# Altium PCB DRS4-PCB.PcbDoc (part 15 of 15)
Units mil, origin at the board's own origin, x right, y up, seen from the top; angles counter-clockwise.
Board outline 12350 x 7411.06 mil, 12 copper layers (Top Layer, Ground Layer 2, Signal Layer 3, Signal Layer 4, Ground Layer 5, Power Layer 6, Ground Layer 7, Ground Layer 8, Power Layer 9, Power Layer 10, Ground Layer 11, Bottom Layer), stack 61.6 mil thick; 1411 components, 1117 nets, 4255 pads, 2550 vias.
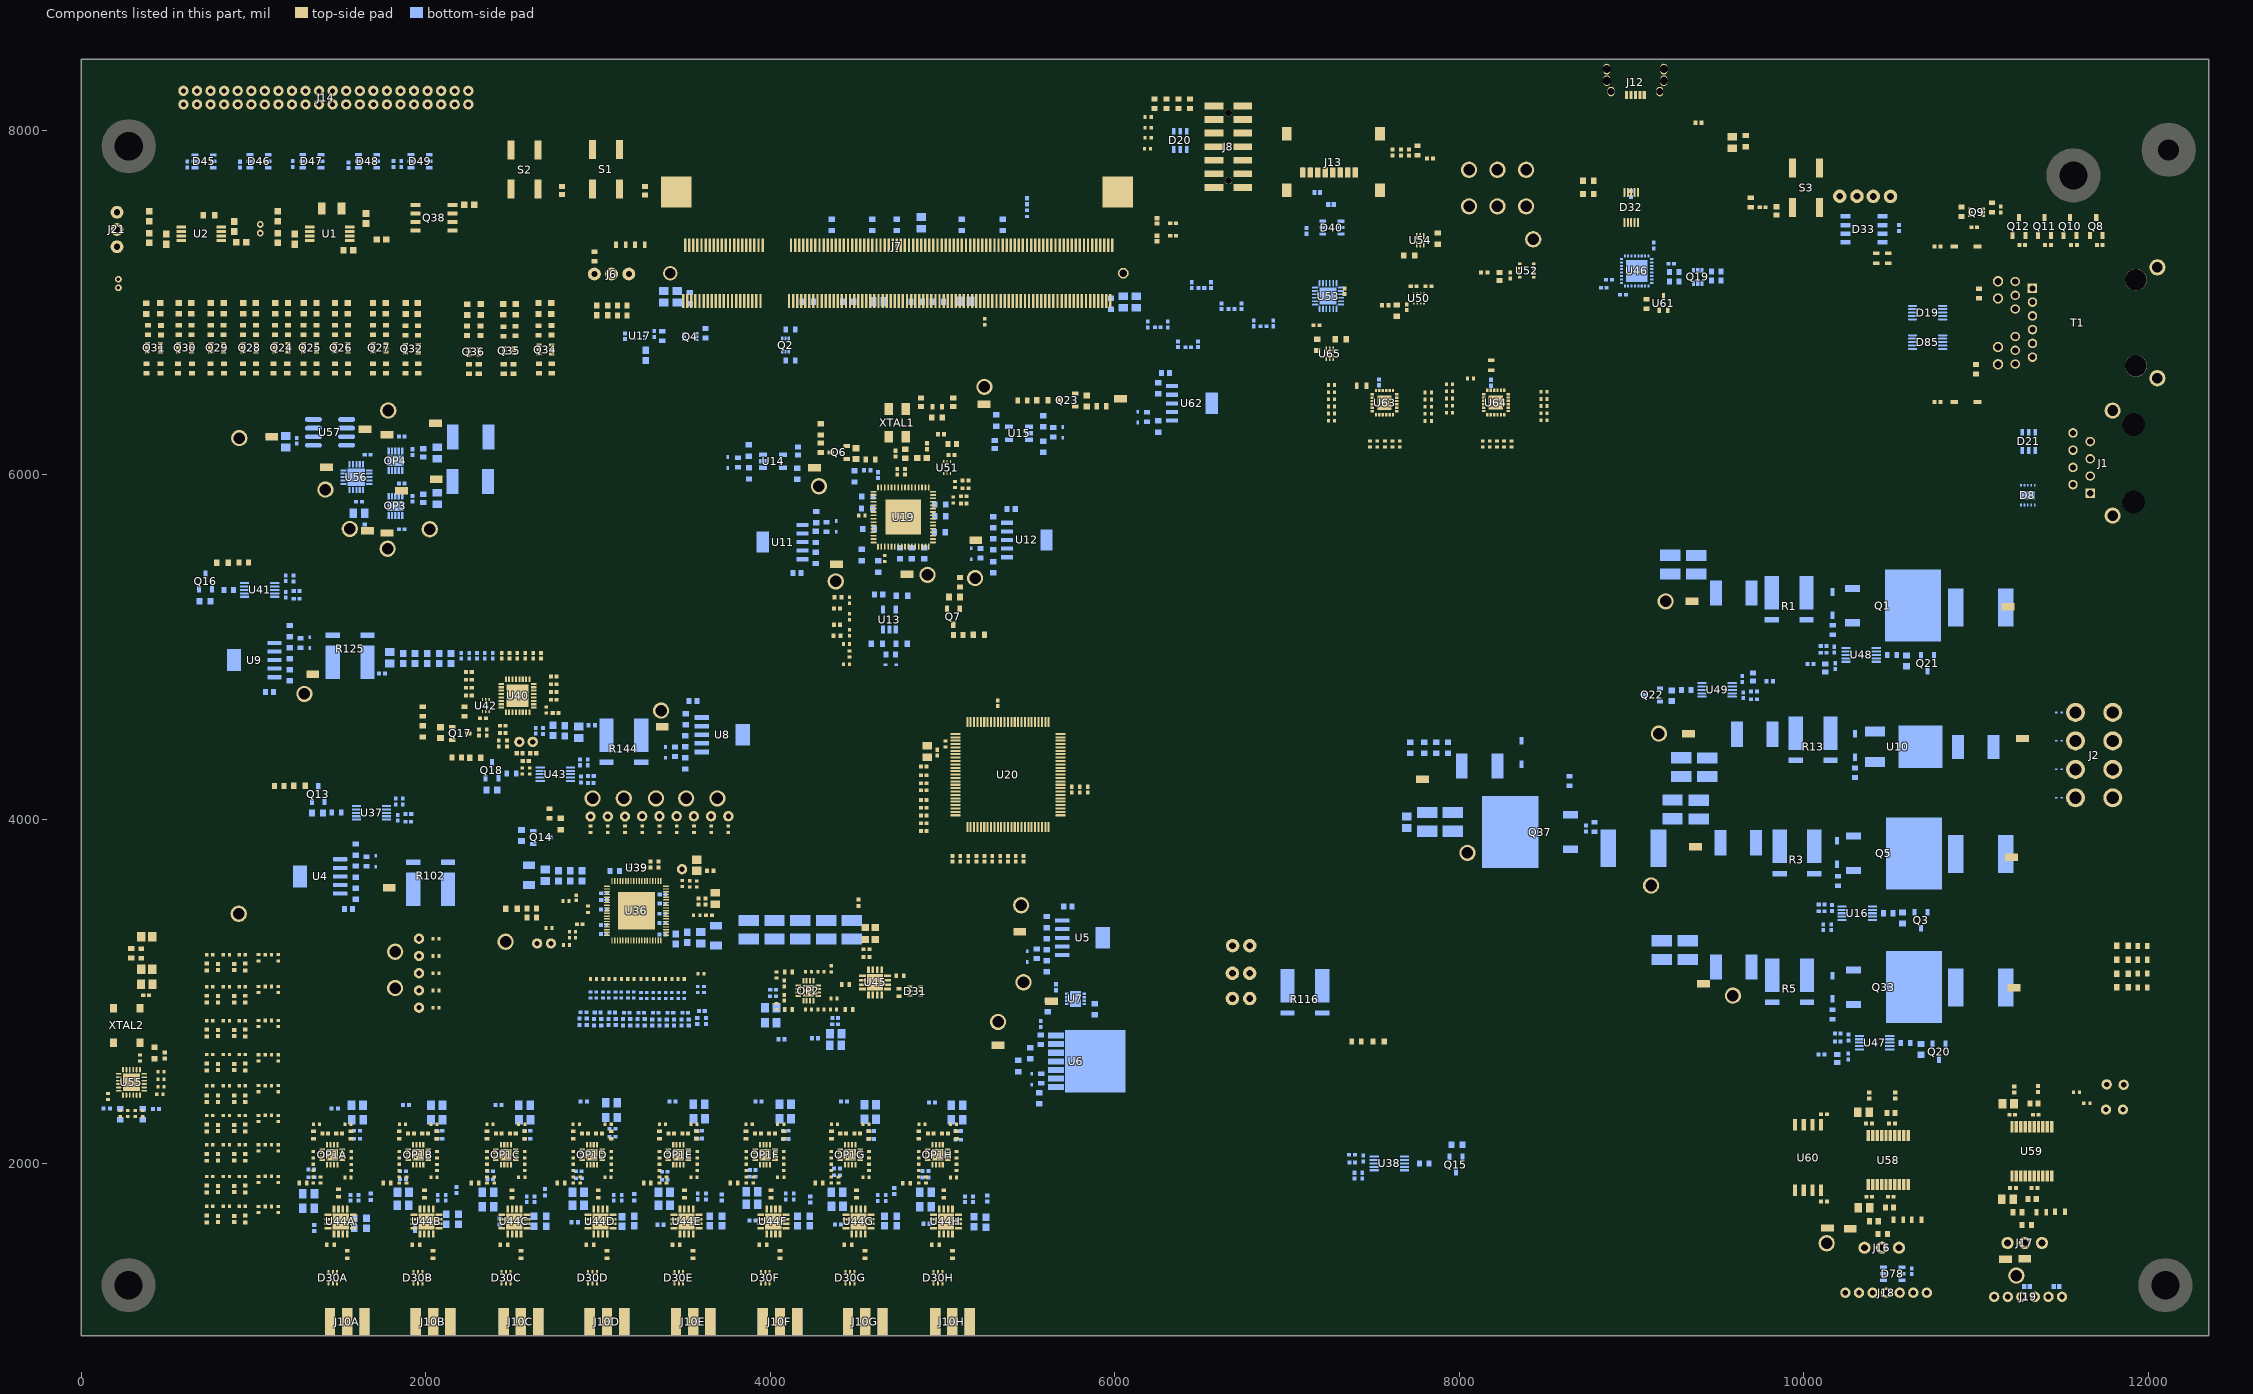
[diagram p25: the components of this part, seen from the top]

## Polygon pours and split planes (outlines as drawn) (continued)
3.3V on Bottom Layer "Bottom Layer-3.3V 33" (solid, pour order 900): 2314.28,6344.35 2510.65,6344.35 2511.86,6345.56 2511.86,6108.3 2513.37,6106.79 2314.28,6106.79
no net on Bottom Layer "Bottom Layer-No Net 16" (solid, pour order 846): 5888.85,2977.38
TRB_GND on Bottom Layer "Bottom Layer-GND 69" (solid, pour order 844): 5866.95,2891.13 5968.08,2891.13 5968.25,2808.99 5820.4,2808.99 5820.4,2891.13
TRB_GND on Bottom Layer "Bottom Layer-GND 70" (solid, pour order 840): 5640.73,3084.45 5741.95,3084.45 5741.96,3026.84 5640.73,3026.84
TRB_GND on Bottom Layer "Bottom Layer-GND 71" (solid, pour order 836): 5578.04,2907.89 5679.17,2907.89 5679.37,2812.15 5545.08,2812.15 5519.97,2837.26 5519.97,2907.89
NetR10_1 on Bottom Layer "Bottom Layer-NetR10_1" (solid, pour order 828): 5709.53,2724.81 5559.07,2724.81 5541.61,2742.27 5541.61,2806.95 5540.74,2807.81 5592.84,2807.81 5593.42,2808.39 5602.58,2808.39 5617.46,2793.51 5705.15,2793.51 5709.53,2789.13
TRB_GND on Bottom Layer "Bottom Layer-GND 72" (solid, pour order 826): 5374.9,2633.23 5374.9,2575.96 5742.14,2575.96 5742.75,2575.35 5742.75,2616.78 5742.14,2617.39 5567.27,2617.39 5551.43,2633.23
NetC20_2 on Bottom Layer "Bottom Layer-NetC20_2" (solid, pour order 824): 5494.4,2486.19 5585.39,2486.19 5604.79,2466.79 5708.1,2466.79 5708.1,2422.48 5708.1,2376.22 5515.67,2376.22 5494.4,2397.49
3.3V on Bottom Layer "Bottom Layer-3.3V 25" (solid, pour order 798): 906.14,7801.75 1007.87,7801.75 1007.87,7831.09 938.32,7831.09 935.54,7833.87 906.17,7833.87
3.3V on Bottom Layer "Bottom Layer-3.3V 26" (solid, pour order 792): 599.09,7801.65 689.18,7801.65 689.18,7829.44 688.32,7830.3 633.94,7830.3 628.38,7835.86 599.11,7835.86
TRB_GND on Bottom Layer "Bottom Layer-GND 39" (solid, pour order 748): 18 vertices, not listed, extent 106.68,6110.43 2018.01,6492.47
TRB_GND on Bottom Layer "Bottom Layer-GND 40" (solid, pour order 746): 1226.25,6132.14 1256.05,6161.95 1266.84,6161.95 1266.84,6194.95 1236.98,6194.95 1224.03,6182 1151.2,6182 1151.2,6132.14
NetC337_1 on Bottom Layer "Bottom Layer-3.3V 16" (solid, pour order 744): 1101.24,6187.63 1222.32,6187.63 1231.84,6197.15 1400.69,6197.15 1400.69,6246.77 1302.94,6246.77 1274.98,6274.72 1101.24,6274.72
NetC335_1 on Bottom Layer "Bottom Layer-3.3V 17" (solid, pour order 738): 1607.31,5923.17 1607.31,5865.33 1615.43,5857.2 1615.43,5695.86 1702.64,5695.86 1702.8,5854.74 1656.04,5901.5 1656.04,5931.78 1607.31,5931.78
no net on Bottom Layer "Bottom Layer-No Net 10" (solid, pour order 736): 1626.26,5918.49
no net on Bottom Layer "Bottom Layer-No Net 11" (solid, pour order 734): 1627.98,5917.01
NetC54_1 on Bottom Layer "Bottom Layer-NetC54_1" (solid, pour order 700): 5254.8,6223.06 5279.39,6247.65 5414.27,6247.65 5414.27,6181.9 5416.69,6179.47 5254.8,6179.47
CLK_VDDS_3V3 on Bottom Layer "Bottom Layer-CLK_VDDS_3V3" (solid, pour order 698): 5147.56,6431.64 5239.14,6431.31 5252.24,6418.21 5251.06,6328.14 5271.11,6308.1 5415.46,6308.1 5415.46,6254.99 5044.92,6254.99 5044.92,6431.64
TRB_GND on Bottom Layer "Bottom Layer-GND 43" (solid, pour order 696): 22 vertices, not listed, extent 3714.44,5928.07 4210.06,6217.61
NetC52_1 on Bottom Layer "Bottom Layer-NetC52_1" (solid, pour order 694): 4042.73,6141.92 4202.13,6141.92 4202.13,6069.14 4203.04,6068.23 4124.78,6068.23 4103.77,6089.23 4042.73,6089.23
NetC51_2 on Bottom Layer "Bottom Layer-NetC51_2" (solid, pour order 690): 3714.34,6081.27 3895.2,6081.27 3911.46,6097.53 3985.72,6097.53 3985.89,6140.13 3714.34,6140.4
3.3V on Bottom Layer "Bottom Layer-3.3V 19" (solid, pour order 686): 3614.33,6075.09 3880.6,6075.09 3896.96,6058.74 3996.45,6058.74 3997,6059.29 3997,6007.25 3614.33,6007.25
NetC44_2 on Bottom Layer "Bottom Layer-NetC44_2" (solid, pour order 674): 5137.04,5532.13 5327.14,5532.12 5338.89,5543.87 5439.85,5543.87 5439.85,5460.68 5137.04,5462.04
NetC43_1 on Bottom Layer "Bottom Layer-NetC43_1" (solid, pour order 672): 5337.33,5701.23 5418.17,5701.23 5418.36,5750.46 5396.99,5771.83 5396.99,5826.16 5327.17,5826.16 5327.17,5712.47
CLK_VDDO_2V5 on Bottom Layer "Bottom Layer-CLK_VDDO_2V5 4" (solid, pour order 670): 5467.11,5697.64 5335.73,5697.64 5306.18,5727.19 5100.3,5727.19 5100.3,5632.23 5244.25,5632.02 5264.38,5652.15 5467.11,5652.15
no net on Bottom Layer "Bottom Layer-No Net 12" (solid, pour order 662): 4560.73,5261.16
3.3V on Bottom Layer "Bottom Layer-3.3V 21" (solid, pour order 654): 4710.5,5130.86 4710.5,4855.74 4871.79,4855.74 4871.79,4891.71 4756.24,5007.26 4756.24,5130.86
NetC48_1 on Bottom Layer "Bottom Layer-NetC48_1" (solid, pour order 652): 4635.28,5181.88 4683.49,5181.88 4683.65,5328.38 4669.9,5342.14 4635.6,5342.14 4635.28,5199.26
CLK_VDDO_3V3 on Bottom Layer "Bottom Layer-CLK_VDDO_3V3 2" (solid, pour order 646): 4769.46,5186.76 4769.46,5442.41 4752.33,5459.54 4668.53,5459.54 4659.9,5450.91 4660.26,5450.55 4660.26,5360.99 4690.82,5330.42 4693.71,5330.42 4693.71,5186.76 4694.06,5189.43
NetC39_2 on Bottom Layer "Bottom Layer-NetC39_2" (solid, pour order 640): 4144.53,5693.45 4425,5693.45 4425.12,5756.39 4144.53,5756.39
3.3V on Bottom Layer "Bottom Layer-3.3V 22" (solid, pour order 638): 4144.3,5643.66 4300.5,5643.66 4352.76,5591.4 4475.9,5591.4 4475.9,5690.16 4144.3,5690.16
TRB_GND on Bottom Layer "Bottom Layer-GND 46" (solid, pour order 636): 3468.17,5470.67 3380.23,5558.6 3376.1,5558.6 3376.1,5827.88 4138.88,5827.89 4138.88,5643 4142.11,5639.76 4293.92,5639.76 4294.36,5640.2 4294.36,5584.63 4138.88,5584.63 4138.88,5470.67
NetC40_1 on Bottom Layer "Bottom Layer-NetC40_1" (solid, pour order 632): 4144.23,5532.77 4219.54,5532.77 4232.52,5519.79 4232.52,5405.78 4156.74,5405.78 4156.74,5468.35 4144.23,5480.86
CLK_VDD_1V8 on Bottom Layer "Bottom Layer-CLK_VDD_1V8 3" (solid, pour order 630): 4144.59,5580.49 4440.43,5580.49 4447.59,5573.92 4447.59,5514.26 4443.21,5509.88 4249.85,5509.88 4220.39,5539.34 4144.59,5539.34
no net on Bottom Layer "Bottom Layer-No Net 13" (solid, pour order 628): 4149.54,5577.16
TRB_GND on Bottom Layer "Bottom Layer-GND 47" (solid, pour order 626): 4999.65,5735.54 5103.93,5735.54 5109.8,5741.41 5109.8,5848.44 5103.91,5854.34 4999.65,5854.34
TRB_GND on Bottom Layer "Bottom Layer-GND 48" (solid, pour order 624): 4994.51,5638.48 4994.51,5690.98 5052.54,5691.15 5060.14,5683.55 5060.14,5643.97 5051.22,5638.48
TRB_GND on Bottom Layer "Bottom Layer-GND 49" (solid, pour order 622): 4551.58,5899.89 4551.58,5844.34 4486.78,5844.15 4479.24,5851.7 4479.24,5890.26 4494.87,5899.89
TRB_GND on Bottom Layer "Bottom Layer-GND 50" (solid, pour order 620): 4549.89,5830 4549.89,5774.46 4485.09,5774.27 4477.55,5781.82 4477.55,5820.38 4493.18,5830
TRB_GND on Bottom Layer "Bottom Layer-GND 51" (solid, pour order 618): 4558.46,5710.96 4558.46,5655.42 4493.66,5655.23 4486.12,5662.77 4486.12,5701.33 4501.75,5710.96
TRB_GND on Bottom Layer "Bottom Layer-GND 52" (solid, pour order 616): 4478.33,5522.31 4556.71,5522.31 4556.85,5473.71 4485.34,5473.71 4478.33,5485.1
TRB_GND on Bottom Layer "Bottom Layer-GND 53" (solid, pour order 614): 4869.58,5528.36 4915.05,5528.36 4915.21,5475.42 4908.31,5468.52 4874.54,5468.52 4869.58,5476.57
TRB_GND on Bottom Layer "Bottom Layer-GND 54" (solid, pour order 612): 4795.12,5529.7 4847.63,5529.7 4847.8,5471.67 4840.2,5464.06 4800.62,5464.06 4795.13,5472.99
TRB_GND on Bottom Layer "Bottom Layer-GND 55" (solid, pour order 610): 4726.02,5532.07 4778.52,5532.07 4778.7,5470.92 4772.78,5464.99 4732.4,5464.99 4726.02,5475.36
TRB_GND on Bottom Layer "Bottom Layer-GND 56" (solid, pour order 608): 4647.38,5459.88 4647.38,5407.38 4581.91,5407.19 4574.63,5414.47 4574.63,5454.53 4583.32,5459.88
CLK_VDDO_2V5 on Bottom Layer "Bottom Layer-CLK_VDDO_2V5 5" (solid, pour order 606): 4601.31,5491.53 4651.06,5491.53 4651.52,5491.99 4651.52,5532.04 4641.54,5542.02 4641.54,5558.91 4601.31,5558.91
CLK_VDDO_2V5 on Bottom Layer "Bottom Layer-CLK_VDDO_2V5" (solid, pour order 588): 4574.74,5710.85 4596.84,5710.85 4627.48,5741.49 4630.39,5741.31 4657.41,5741.31 4657.41,5658.21 4574.74,5658.21
CLK_VDD_1V8 on Bottom Layer "Bottom Layer-CLK_VDD_1V8" (solid, pour order 586): 4498.94,5590.93 4523.88,5615.87 4523.88,5635.94 4570.68,5635.94 4570.68,5545.92 4498.94,5545.92
CLK_VDD_1V8 on Bottom Layer "Bottom Layer-CLK_VDD_1V8 1" (solid, pour order 584): 4980.83,5799.79 4980.83,5853.47 4890.81,5853.47 4890.81,5799.79
CLK_VDDO_2V5 on Bottom Layer "Bottom Layer-CLK_VDDO_2V5 1" (solid, pour order 582): 4980.83,5733.05 4980.83,5784.04 4890.81,5784.04 4890.81,5733.05
CLK_VDDO_2V5 on Bottom Layer "Bottom Layer-CLK_VDDO_2V5 2" (solid, pour order 580): 4978.23,5640.26 4978.23,5691.25 4888.21,5691.25 4888.21,5640.26
CLK_VDD_1V8 on Bottom Layer "Bottom Layer-CLK_VDD_1V8 2" (solid, pour order 578): 4863.98,5548.26 4918.92,5548.26 4918.92,5638.28 4863.98,5638.28
CLK_VDDO_2V5 on Bottom Layer "Bottom Layer-CLK_VDDO_2V5 3" (solid, pour order 576): 4796.69,5548.26 4847.68,5548.26 4847.68,5638.28 4796.69,5638.28
CLK_VDDO_3V3 on Bottom Layer "Bottom Layer-CLK_VDDO_3V3 1" (solid, pour order 574): 4727.78,5548.35 4778.77,5548.35 4778.77,5638.37 4727.78,5638.37
NetC13_2 on Bottom Layer "Bottom Layer-NetC13_2" (solid, pour order 562): 1453.5,3750.85 1754.5,3750.85 1754.5,3814.62 1453.5,3814.04
3.3V on Bottom Layer "Bottom Layer-3.3V 13" (solid, pour order 560): 1453.52,3741.45 1453.52,3747.61 1750.9,3747.61 1754.47,3747.61 1754.47,3679.6 1639,3679.6 1620.96,3697.64 1457.31,3697.64 1453.52,3701.44
no net on Bottom Layer "Bottom Layer-No Net 6" (solid, pour order 552): 1527.37,3633.96
TRB_GND on Bottom Layer "Bottom Layer-GND 29" (solid, pour order 550): 18 vertices, not listed, extent 1186.53,5095.33 1249.35,5165.35
no net on Bottom Layer "Bottom Layer-No Net 7" (solid, pour order 544): 1075.91,5004.48 1169.69,5004.48 1187.98,5022.77 1223.49,5022.77
NetC32_1 on Bottom Layer "Bottom Layer-NetC32_1" (solid, pour order 530): 1060.85,4841.26 1171.54,4841.26 1171.54,4789.14 1144.19,4761.78 1144.19,4716.59 1094.48,4716.59 1093.42,4715.53 1093.42,4761.79 1060.85,4794.36
TRB_GND on Bottom Layer "Bottom Layer-GND 33" (solid, pour order 526): 2170.06,4939.45 2182.64,4952.03 2410.45,4952.03 2410.45,5022.92 1756.93,5022.66 1756.93,4939.45
no net on Bottom Layer "Bottom Layer-No Net 8" (solid, pour order 522): 1639.2,4909.72
TRB_GND on Bottom Layer "Bottom Layer-GND 34" (solid, pour order 520): 3826.83,4626.49 4251.2,4202.12 4251.2,3967.53 3916.73,3967.53 3658.32,3967.53 3658.32,4460.19 3651.29,4467.22 3543.41,4467.22 3533.59,4457.4 3479.38,4457.4 3452.36,4484.42 3452.36,4512.79 3654.67,4512.79 3654.84,4626.38
TRB_GND on Bottom Layer "Bottom Layer-GND 35" (solid, pour order 518): 18 vertices, not listed, extent 3467.57,4250.47 3530.39,4320.5
NetC30_2 on Bottom Layer "Bottom Layer-NetC30_2" (solid, pour order 516): 3342.17,4396.91 3539.51,4396.91 3549.67,4407.07 3649.36,4407.07 3649.36,4364.41 3649.17,4324.11 3342.17,4324.11
3.3V on Bottom Layer "Bottom Layer-3.3V 15" (solid, pour order 514): 3341.69,4404.49 3341.07,4403.87 3537.59,4403.87 3546.54,4412.82 3649.39,4412.82 3649.6,4462.98 3550.29,4462.99 3537.38,4450.08 3473.4,4450.08 3454.07,4469.41 3341.69,4469.41
no net on Bottom Layer "Bottom Layer-No Net 9" (solid, pour order 512): 3326.59,4464.48
TRB_GND on Bottom Layer "Bottom Layer-GND 36" (solid, pour order 510): 3492.3,4588.85 3544.92,4588.85 3544.92,4710.34 3469.1,4710.34 3456.12,4688.88 3456.12,4589.11 3488.34,4588.85
NetC28_1 on Bottom Layer "Bottom Layer-NetC28_1" (solid, pour order 506): 3550.49,4569.7 3648.49,4569.7 3648.73,4620.14 3620.39,4648.97 3620.39,4711.42 3551.21,4711.42 3550.49,4711.42
NetC16_1 on Bottom Layer "Bottom Layer-NetC371_1" (solid, pour order 456): 5739.31,3394.69 5645.12,3394.69 5645.12,3453.74 5660.08,3468.7 5660.08,3529.27 5724.94,3529.27 5724.94,3459.55 5738.82,3445.77
NetC15_2 on Bottom Layer "Bottom Layer-NetC15_2" (solid, pour order 452): 5472.82,3192.27 5512.77,3192.27 5525.17,3204.67 5631.67,3204.67 5658.44,3231.44 5748.89,3231.44 5748.89,3151.22 5748.5,3150.83 5472.82,3150.83
no net on Bottom Layer "Bottom Layer-No Net 5" (solid, pour order 446): 3719.59,3273.53
TRB_GND on Bottom Layer "Bottom Layer-GND 15" (solid, pour order 428): 18 vertices, not listed, extent 6209.31,6208.23 6276.14,6270.73
no net on Bottom Layer "Bottom Layer-No Net 4" (solid, pour order 408): 8813.78,3812.7
TRB_GND on Bottom Layer "Bottom Layer-GND 19" (solid, pour order 406): 10194.19,4886.71 10168.21,4886.71 10155.88,4874.39 10104.09,4874.39 10104.09,4835.33 10137.6,4835.33 10144.49,4835.33 10160.14,4850.98 10199.68,4850.98 10199.68,4886.71
NetC263_2 on Bottom Layer "Bottom Layer-3.3V 5" (solid, pour order 404): 10274.11,4922.15 10136.71,4922.15 10106.89,4922.15 10104.33,4922.15 10104.33,4886.02 10159.45,4886.02 10164.37,4890.94 10274.11,4890.94
NetQ21_1 on Bottom Layer "Bottom Layer-NetQ21_1" (solid, pour order 394): 10695.55,4970.28 10630.32,4970.28 10620.18,4980.41 10521.65,4980.41 10520.87,4980.41 10520.87,4927.26 10520.87,4925.69 10621.36,4925.69 10626.86,4931.19 10695.55,4931.19
TRB_GND on Bottom Layer "Bottom Layer-GND 21" (solid, pour order 390): 10172.54,3370.77 10096.56,3370.77 10096.26,3367.42 10095.99,3341.01 10097.05,3339.96 10131.2,3339.96 10172.93,3339.96
3.3V on Bottom Layer "Bottom Layer-3.3V 7" (solid, pour order 388): 9370.47,4725.98 9383.66,4739.17 9445.67,4739.17 9451.28,4744.78 9474.51,4744.78 9475.1,4745.37 9475.1,4679.92 9445.96,4679.72 9426.48,4699.21 9370.47,4699.21
NetQ22_1 on Bottom Layer "Bottom Layer-NetQ22_1" (solid, pour order 384): 9308.07,4726.38 9308.07,4773.46 9195.87,4773.52 9189.07,4780.31 9139.47,4780.31 9139.47,4742.81 9139.86,4742.42 9192.62,4742.42 9208.66,4726.38
TRB_GND on Bottom Layer "Bottom Layer-GND 22" (solid, pour order 380): 9616.63,4779.13 9547.93,4779.13 9545.08,4781.99 9521.95,4781.99 9521.75,4757.87 9521.36,4757.48 9546.46,4757.48 9550.2,4761.22 9616.63,4761.22
3.3V on Bottom Layer "Bottom Layer-3.3V 1" (solid, pour order 368): 10136.76,3404.16 10094.19,3404.16 10094.19,3375.99 10132.11,3375.99 10170.61,3375.99 10198.28,3403.66 10251.78,3403.66 10251.28,3404.16 10251.28,3423.66 10156.27,3423.66
TRB_GND on Bottom Layer "Bottom Layer-3.3V 2" (solid, pour order 364): 10381.9,3503.64 10386.77,3508.51 10386.77,3528.14 10407.77,3528.14 10407.77,3507.14 10411.26,3503.64 10434.27,3503.64 10434.77,3504.14 10455.77,3504.14 10455.77,3482.64 10435.27,3482.64 10432.77,3485.14 10368.77,3485.14 10368.77,3503.64
NetQ3_1 on Bottom Layer "Bottom Layer-NetQ3_1" (solid, pour order 360): 10665.16,3472.05 10609.74,3472.05 10599.11,3482.68 10500.1,3482.68 10499.51,3483.27 10499.51,3432.09 10499.51,3426.48 10538.39,3426.48 10548.23,3436.32 10665.16,3436.32
TRB_GND on Bottom Layer "Bottom Layer-GND 11" (solid, pour order 352): 10275.5,2582.12 10242.71,2582.12 10229.29,2569 10217,2569 10180,2569 10172.5,2569 10172.5,2575.5 10172.49,2601.49 10172.52,2608.5 10229.75,2608.5 10241.64,2620.39 10275.5,2620.39
NetC260_2 on Bottom Layer "Bottom Layer-3.3V 1" (solid, pour order 350): 10172,2653 10277.5,2653 10297,2672.5 10352.5,2672.5 10352.5,2628 10236.5,2628 10225,2616.5 10172,2616.5 10172,2621.5 10172,2648
no net on Bottom Layer "Bottom Layer-No Net 2" (solid, pour order 348): 10175,2651
no net on Bottom Layer "Bottom Layer-No Net 3" (solid, pour order 344): 10534,2734
NetQ20_1 on Bottom Layer "Bottom Layer-NetQ20_1" (solid, pour order 334): 10770,2669.5 10639.26,2669.5 10631.76,2677 10598,2677 10598,2723.29 10650.21,2723.29 10652,2721.5 10656,2721.5 10770,2721.5
NetF4_2 on Bottom Layer "Bottom Layer-NetF3_2" (solid, pour order 302): 10947.5,4639.69 10947.5,4225.49 10519,4225.49 10519,4639.69
FTDI_EXT_1V8 on Bottom Layer "Bottom Layer-FTDI_EXT_1V8" (solid, pour order 252): 10422.56,7379.77 10489.06,7379.77 10489.06,7426.77 10497.06,7434.77 10564.56,7434.77 10564.56,7466.27 10538.06,7466.27 10537.56,7465.77 10422.56,7465.77
no net on Bottom Layer "Bottom Layer-No Net" (solid, pour order 244): 7126.54,7416.61
no net on Bottom Layer "Bottom Layer-No Net 1" (solid, pour order 242): 7126.54,7416.61
3V3_SD on Bottom Layer "Bottom Layer-3V3_SD" (solid, pour order 240): 7126.54,7416.61 7133.62,7423.7 7229.06,7423.7 7229.06,7447.56 7127.24,7447.56 7097.69,7448.25 7097.01,7447.56 7097.01,7443.78 7097.01,7422.05 7097.01,7416.61
TRB_GND on Bottom Solder " " (solid): 3113.45,3576.97 3330.8,3576.97 3331.22,3576.55 3331.22,3356.69 3114.31,3356.69
no net on Top Solder " " (solid): 6601.74,6353.35 6519.11,6353.35 6519.11,6477.08 6601.74,6477.23
no net on Top Solder " " (solid): 3914.76,5666.3 3997.4,5666.3 3997.4,5542.56 3914.76,5542.42
no net on Top Solder " " (solid): 5643.45,5563.01 5560.81,5563.01 5560.81,5686.74 5643.45,5686.89
no net on Top Solder " " (solid): 202.39,2451.71
TRB_GND on Top Solder " " (solid): 3800.63,4550.33 3883.27,4550.33 3883.27,4426.6 3800.63,4426.45
TRB_GND on Top Solder " " (solid): 5712.65,2777.83 6064.94,2777.83 6064.94,2419.56 5712.65,2418.93
TRB_GND on Top Solder " " (solid): 5889.06,3372.86 5971.69,3372.86 5971.69,3249.12 5889.06,3248.98
TRB_GND on Top Solder " " (solid): 5733.98,3005.83 5807.07,3005.83 5807.07,2907.74 5733.98,2907.61
no net on Top Solder " " (solid): 845.84,4985.57 928.47,4985.57 928.47,4861.83 845.84,4861.68
TRB_GND on Top Solder " " (solid): 1227.35,3730.11 1309.99,3730.11 1309.99,3606.38 1227.35,3606.23
TRB_GND on Ground Layer 11 "Ground Layer 2-GND 1" (solid, pour order 2589): 23 vertices, not listed, extent 24.31,1024.51 12324.52,8389.08
TLTB_GND on Ground Layer 11 "Ground Layer 2-LT_GND" (solid, pour order 2592): 9491.2,1960.31 10783.53,1960.31 10784.81,1961.59 10784.81,1026.49 9491.2,1030.3
NEUTRAL on Ground Layer 11 "Ground Layer 2-SH" (solid, pour order 2591): 18 vertices, not listed, extent 8394.25,5612.32 12295.03,8389.31
TPCB_GND on Ground Layer 11 "Ground Layer 2-PB_GND" (solid, pour order 2593): 10844.7,1960.41 11687.69,1960.41 11687.69,1026.66 10844.7,1026.66
TRB_GND on Ground Layer 8 "Ground Layer 2-GND 1" (solid, pour order 2594): 23 vertices, not listed, extent 24.31,1024.51 12324.52,8389.08
NEUTRAL on Ground Layer 8 "Ground Layer 2-SH" (solid, pour order 2595): 18 vertices, not listed, extent 8394.25,5612.32 12295.03,8389.31
TLTB_GND on Ground Layer 8 "Ground Layer 2-LT_GND" (solid, pour order 2596): 9491.2,1960.31 10783.53,1960.31 10784.81,1961.59 10784.81,1026.49 9491.2,1030.3
TPCB_GND on Ground Layer 8 "Ground Layer 2-PB_GND" (solid, pour order 2597): 10844.7,1960.41 11687.69,1960.41 11687.69,1026.66 10844.7,1026.66
TRB_GND on Ground Layer 7 "Ground Layer 2-GND 1" (solid, pour order 2598): 23 vertices, not listed, extent 24.31,1024.51 12324.52,8389.08
TLTB_GND on Ground Layer 7 "Ground Layer 2-LT_GND" (solid, pour order 2600): 9491.2,1960.31 10783.53,1960.31 10784.81,1961.59 10784.81,1026.49 9491.2,1030.3
TPCB_GND on Ground Layer 7 "Ground Layer 2-PB_GND" (solid, pour order 2601): 10844.7,1960.41 11687.69,1960.41 11687.69,1026.66 10844.7,1026.66
NEUTRAL on Ground Layer 7 "Ground Layer 2-SH" (solid, pour order 2599): 18 vertices, not listed, extent 8394.25,5612.32 12295.03,8389.31
TRB_GND on Ground Layer 5 "Ground Layer 2-GND 1" (solid, pour order 2602): 23 vertices, not listed, extent 24.31,1024.51 12324.52,8389.08
NEUTRAL on Ground Layer 5 "Ground Layer 2-SH" (solid, pour order 2603): 18 vertices, not listed, extent 8394.25,5612.32 12295.03,8389.31
TPCB_GND on Ground Layer 5 "Ground Layer 2-PB_GND" (solid, pour order 2605): 10844.7,1960.41 11687.69,1960.41 11687.69,1026.66 10844.7,1026.66
TRB_GND on Ground Layer 5 "Ground Layer 2-LT_GND" (solid, pour order 2604): 9491.2,1960.31 10783.53,1960.31 10784.81,1961.59 10784.81,1026.49 9491.2,1030.3
TRB_GND on Ground Layer 2 "Ground Layer 2-GND 1" (solid, pour order 2606): 23 vertices, not listed, extent 24.31,1024.51 12324.52,8389.08
TPCB_GND on Ground Layer 2 "Ground Layer 2-PB_GND" (solid, pour order 2609): 10844.7,1960.41 11687.69,1960.41 11687.69,1026.66 10844.7,1026.66
TLTB_GND on Ground Layer 2 "Ground Layer 2-LT_GND" (solid, pour order 2608): 9491.2,1960.31 10783.53,1960.31 10784.81,1961.59 10784.81,1026.49 9491.2,1030.3
NEUTRAL on Ground Layer 2 "Ground Layer 2-SH" (solid, pour order 2607): 18 vertices, not listed, extent 8394.25,5612.32 12295.03,8389.31
3.3V on Power Layer 6 "Power Layer 6-3.3V" (solid, pour order 2614): 11439.81,7490.87 11293.3,7637.38 11293.3,7894.74 4997.84,7897.71 4997.84,1264.05 8658.45,1264.05 9425.95,2031.56 11511.67,2031.56 11511.67,2475.54 10928.34,3031.82 10928.33,5466.72 11439.81,5978.19
3.3V on Power Layer 6 "Power Layer 6-3.3V" (solid, pour order 2610): 17 vertices, not listed, extent 24.28,1257.79 4497.14,7906.23
-1V_IN on Power Layer 6 " " (solid, pour order 2617): 11723.47,4541.42 11044.04,4541.43 11042.94,4542.53 11042.94,4330.21 11171.66,4330.21 11238.88,4397.43 11723.47,4397.43
+4V_IN on Power Layer 6 "Power Layer 9-+4V_IN" (solid, pour order 2616): 11234.3,5021.46 11271.62,4984.14 11271.62,4603.92 11318.22,4557.32 11724.45,4557.32 11724.65,5257.26 11476.39,5505.51 10994.09,5505.51 10994.09,5021.46
+3V3_SPM15 on Power Layer 6 "Power Layer 9-No Net 3" (solid, pour order 2615): 11723.21,4379.56 11249.64,4379.56 10994.09,4124.02 10994.09,3543 11723.22,3543.01
3.3V on Power Layer 6 "Power Layer 6-3.3V" (solid, pour order 2613): 5057.7,4954.08 5057.7,1263.84 4469.33,1263.84 4469.33,4954.36
3.3V on Power Layer 6 "Power Layer 6-3.3V" (solid, pour order 2612): 5034.6,7906.1 5034.6,6111.17 4452.03,6111.18 4452.03,7906.37
CLK_VDDO_3V3 on Power Layer 6 "CLK_3V3" (solid, pour order 2611): 4544.5,6006.11 4942.4,6006.11 4942.4,5087.41 4544.5,5087.41

## Other copper
Top Layer:
  pour cut-out: 236,2350
Ground Layer 2:
  drawing of 489 lines, arcs and shapes, not listed
Ground Layer 11:
  pour cut-out: 6180.78,6843.77 6201.85,6843.77 6201.87,6867.15 6180.78,6867.23
  pour cut-out: 6180.24,6877.24 6201.32,6877.24 6201.34,6900.62 6180.24,6900.7
  pour cut-out: 6219.85,6865.01 6219.85,6843.94 6243.23,6843.92 6243.31,6865.02
  pour cut-out: 6253.31,6865.55 6253.31,6844.48 6276.7,6844.46 6276.77,6865.55
  pour cut-out: 6317.52,6900.95 6296.44,6900.95 6296.42,6877.56 6317.52,6877.49
  pour cut-out: 6318.05,6867.48 6296.98,6867.48 6296.96,6844.1 6318.06,6844.02
  pour cut-out: 6376.7,6784.41 6355.63,6784.41 6355.61,6761.03 6376.7,6760.95
  pour cut-out: 6377.24,6750.94 6356.16,6750.94 6356.15,6727.56 6377.24,6727.48
  pour cut-out: 6454.37,6730.15 6454.37,6751.23 6430.99,6751.25 6430.91,6730.15
  pour cut-out: 6420.9,6729.61 6420.9,6750.69 6397.52,6750.71 6397.44,6729.61
  pour cut-out: 6472.32,6729.31 6493.4,6729.31 6493.42,6752.69 6472.32,6752.77
  pour cut-out: 6471.79,6762.77 6492.86,6762.78 6492.88,6786.16 6471.79,6786.23
  pour cut-out: 6455.68,7129.22 6434.6,7129.22 6434.58,7105.83 6455.68,7105.76
  pour cut-out: 6456.21,7095.75 6435.14,7095.75 6435.12,7072.37 6456.21,7072.29
  pour cut-out: 6530.48,7074.35 6530.48,7095.43 6507.1,7095.45 6507.02,7074.35
  pour cut-out: 6497.01,7073.82 6497.01,7094.89 6473.63,7094.91 6473.55,7073.82
  pour cut-out: 6548.36,7072.54 6569.43,7072.54 6569.45,7095.92 6548.36,7096
  pour cut-out: 6547.82,7106.01 6568.9,7106.01 6568.92,7129.39 6547.82,7129.47
  pour cut-out: 6609.45,6950.05 6630.52,6950.05 6630.54,6973.43 6609.44,6973.51
  pour cut-out: 6608.91,6983.51 6629.98,6983.52 6630,7006.9 6608.91,7006.97
  pour cut-out: 6648.31,6971.76 6648.31,6950.68 6671.7,6950.66 6671.77,6971.76
  pour cut-out: 6681.78,6972.29 6681.78,6951.22 6705.16,6951.2 6705.24,6972.29
  pour cut-out: 6745.36,7006.51 6724.28,7006.51 6724.26,6983.12 6745.36,6983.05
  pour cut-out: 6745.89,6973.04 6724.82,6973.04 6724.8,6949.66 6745.89,6949.58
  pour cut-out: 6890.59,6851.66 6890.59,6872.74 6867.21,6872.76 6867.13,6851.66
  pour cut-out: 6857.13,6851.13 6857.12,6872.2 6833.74,6872.22 6833.67,6851.13
  pour cut-out: 6797.48,6849.98 6818.56,6849.98 6818.58,6873.37 6797.48,6873.44
  pour cut-out: 6796.95,6883.45 6818.02,6883.45 6818.04,6906.83 6796.95,6906.91
  pour cut-out: 6908.5,6883.31 6929.58,6883.31 6929.59,6906.7 6908.5,6906.77
  pour cut-out: 6909.04,6849.85 6930.11,6849.85 6930.13,6873.23 6909.04,6873.31

## Silkscreen, mask and mechanical layers (free items; w line width, h text height)
Top Overlay:
  drawing of 164 lines, arcs and shapes, not listed
  text "SD TEST POINTS" at 7978.8,8193.82 h39.37
  text "GND" at 424.83,8016.06 h24
  text "PS SRST" at 2975.1,8001.72 h25
  text "POR" at 2525.78,7993.26 h25
  text "TDI" at 6417.66,7970.37 h39.37
  text "TP40 - SD_CLK / TP41 - SD_DAT0 / TP51 - SD_DAT1 / TP52 - SD_DAT2 / TP53 - SD_DAT3 / TP54 - SD_CMD" at 7976.04,7940.52 h39.37
  text "GPIO0_P" at 602.74,7930.95 h24 r90
  text "GPIO9_P" at 2022.22,7930.95 h24 r90
  text "GPIO0_N" at 693.75,7925.95 h24 r90
  text "GPIO9_N" at 2112.49,7925.95 h24 r90
  text "TDO" at 6401.63,7889.16 h39.37
  text "TCK" at 6401.63,7812.44 h39.37
  text "TMS" at 6401.67,7735.58 h39.37
  text "RX" at 8553.98,7694.65 h23.62
  text "TRB_GND" at 10230.22,7688.25 h50 r90
  text "FTDI_EXT_1V8" at 10318.88,7688.25 h50 r90
  text "RX_EXT" at 10416.53,7688.25 h50 r90
  text "TX_EXT" at 10514.02,7688.25 h50 r90
  text "Neutral" at 11887.38,7663.2 h47.24
  text "TX" at 8553.98,7614.14 h23.62
  text "(J22): PORB RST / (J21): (1-2) TEXAS_INS_PWR_EN /           (2-3) ROHM_PWR_EN" at 314.82,7601.25 h39.37
  text "Attach Neutral Screw ^" at 11703.57,7566.45 h23.62
  text "1" at 90.7,7525.86 h23.62 r270
  text "VCC 1V8" at 6365.77,7515.26 h39.37
  text "2" at 90.7,7421.65 h23.62 r270
  text "BOOT MODE(J6) / 1-2   = SD CARD / 2-3   = QSPI" at 2932.99,7420.45 h39.37
  text "JTAG" at 6605.88,7362.67 h60
  text "3" at 90.7,7323.74 h23.62 r270
  text "LED1" at 10610.53,7314.75 h39.37
  text "TCA_0-5_EN" at 2746.21,7100.14 h23.62 r90
  text "I2C Test Points" at 6237.95,7096.72 h60
  text "HMC_EN7" at 389.33,7092.05 h23.62 r90
  text "HMC_VCTL7" at 479.44,7092.05 h23.62 r90
  text "HMC_EN6" at 583,7092.05 h23.62 r90
  text "HMC_VCTL6" at 658.06,7092.05 h23.62 r90
  text "HMC_EN5" at 766.7,7092.05 h23.62 r90
  text "HMC_VCTL5" at 847.62,7092.05 h23.62 r90
  text "HMC_EN4" at 953.28,7092.05 h23.62 r90
  text "HMC_VCTL4" at 1024.04,7092.05 h23.62 r90
  text "HMC_EN0" at 1139.57,7092.05 h23.62 r90
  text "HMC_VCTL0" at 1210.11,7092.05 h23.62 r90
  text "HMC_EN1" at 1310.2,7092.05 h23.62 r90
  text "HMC_VCTL1" at 1375.45,7092.05 h23.62 r90
  text "HMC_EN2" at 1492.63,7092.05 h23.62 r90
  text "HMC_VCTL2" at 1564.66,7092.05 h23.62 r90
  text "HMC_EN3" at 1712.51,7092.05 h23.62 r90
  text "HMC_VCTL3" at 1783.27,7092.05 h23.62 r90
  text "Si5395_FINC" at 1894.93,7092.05 h23.62 r90
  text "Si5395_FDEC" at 1983.73,7092.05 h23.62 r90
  text "SHDN" at 2244.28,7092.05 h23.62 r90
  text "VCAL_RESET" at 2342.95,7092.05 h23.62 r90
  text "Si5395_OE" at 2468.97,7092.05 h23.62 r90
  text "Si5395_RESET" at 2542.67,7092.05 h23.62 r90
  text "TCA_6-8_EN" at 2680.55,7092.05 h23.62 r90
  text "1" at 2974.11,7088.86 h23.62
  text "2" at 3078.32,7088.86 h23.62
  text "3" at 3176.23,7088.86 h23.62
  text "PWR GOOD" at 2771.83,7001.42 h39.37
  text "PL DONE" at 2767.24,6933.9 h39.37
  text "(J15)3V3 LED / Short  = ON / Open  = OFF" at 58.63,6923.23 h39.37
  text "CLK SYNTH TEMP ALERT" at 5404.08,6604.09 h23.62
  text "LED2" at 10611.98,6414.4 h39.37
  text "50 MHz TCXO" at 4388.32,6307.26 h23.62
  text "CLK SYNTH INTERRUPT" at 3793.07,6248.64 h23.62
  text "J1 (CAT5) PINOUT" at 10770.97,6175.15 h45
  text "AD5675 TEST POINTS" at 2623.22,6149.99 h39.37
  text "TP72 - AD5675_VDD / TP73 - DRS IN OFFSET - / TP74 - DRS IN OFFSET + / TP76 - THS4509 CM / TP78 - DRS BIAS / TP79 - ADR4520BRZ (VREF VCC) / TP80 - AD5675 2V08 VREF / TP81 - (OP-AMP) DRS OFFSET + / TP82 - (OP-AMP) THS4509 CM" at 2614.46,5818.29 h39.37
  text "1=TLTB_CLK_N / 2=MCLK_P / 3=TLTB_CLK_P / 4=MCLK_N / 5=NC / 6=DWRITE_p / 7=NC / 8=DWRITE_N" at 10797.96,5792.03 h45
  text "ADC CLK ->" at 4061.15,5747.41 h39.37
  text "DRS CLK ->" at 4187.81,5683.24 h39.37
  text "GND" at 4491.78,5543.12 h25
  text "ADC DVDD ALERT" at 766.83,5540.63 h23.62
  text "C" at 561.48,5526.53 h700 r90
  text "GND" at 4692.08,5514.78 h25
  text "TEST POINTS" at 5416.09,5481.32 h39.37
  text "TP26 - CLK_VDD_1V8 / TP28 - CLK_VDDO_3V3 / TP30 - CLK_VDDO_2V5 / TP32 - CLK_VDDA_3V3 / TP34 - CLK_VDDS_3V3 / TP95 - VCC_IO_B34" at 5408.79,5225.56 h39.37
  text "CH9 CLK ->" at 4657.78,5224.94 h39.37 r90
  text "Loss of Lock" at 5037.17,4999.25 h23.62
  text "4V" at 11530,4852.95 h47.24
  text "-1V" at 11042.04,4720.34 h47.24
  text "UCLA" at 708.44,4695 h140 r90
  text "AD9245 ADC TEST POINTS" at 3569.12,4674.51 h39.37
  text "TP19 -3V_ADC_ANA" at 3560.7,4594.22 h39.37
  text "GAPS TOF / 475 Portola Plaza / Los Angeles, CA / Ismael Garcia:    igarcia91@g.ucla.edu / Andrew Peck:     andrew.peck@cern.ch / Sean Quinn:      spq@ucla.edu" at 547.65,4579.38 h24 r90
  text "AD9245 ADC TEST POINTS" at 898.7,4534.79 h39.37
  text "MUX+" at 2484.6,4487.75 h39.37
  text "MUX-" at 2590.21,4486.32 h39.37
  text "TP21 -2V5_ADC_DIG" at 890.27,4454.5 h39.37
  text "AD9245" at 3061.11,4448.71 h39.37
  text "TEST POINTS" at 8540.43,4442.08 h39.37
  text "ADC TEMP ALERT" at 1685.69,4412 h23.62
  text "TP49: MUX+ / TP50: MUX -" at 3014.56,4355.74 h39.37
  text "DRS4 TEST POINTS" at 3954.37,4310.83 h39.37
  text "TP2:     3V5 / TP24:  -1V5 / TP4:     3V3_MARS / TP8:     3V3" at 8538.73,4280.95 h39.37
  text "DRS4 AVDD Alert" at 1059.07,4249.61 h23.62
  text "3V3 MARS" at 10788.67,4242.95 h47.24
  text "ADC AVDD ALERT" at 2100.35,4226.79 h23.62
  text "B" at 710.6,4197.96 h300 r90
  text "GAPS" at 507.87,4158.5 h500 r90
  text "DRS4 AVDD TEST POINTS" at 1723.44,3885.38 h39.37
  text "DRS4 TEMP ALERT" at 2512.5,3826.64 h23.62
  text "TP10 - DRS_AVDD" at 1715.02,3805.09 h39.37
  text "3V3" at 11604.36,3756.05 h47.24 r90
  text "TRB_GND" at 11820.98,3696.55 h47.24 r90
  text "TP57   - DRS_DTAP / TP58   - DRS_PLLLCK / TP59   - DRS_DENABLE / TP60   - DRS_DWRITE / TP61   - DRS_RESET / TP62   - DRS_O-OFS / TP63   - DRS-ROFS / TP64   - DRS_A0 / TP65   - DRS_A1 / TP66   - DRS_A2 / TP67   - DRS_A3 / TP97   - DRS_WSRIN / TP98   - DRS_WSROUT / TP99   - DRS_RSRLOAD / TP100 - DRS-SROUT / TP101 - DRS_SRCLK / TP102 - DRS_SRIN" at 3949.54,3623.11 h39.37
  text "TRB_GND" at 807.02,3573.08 h40
  text "TP96" at 734.74,3467.85 h25
  text "TP11" at 1685.09,3309.63 h25
  text "4V ALERT" at 11458.41,3257.59 h23.62
  text "TPS79525DCQR / Short  = ON / Open   = OFF" at 6861.21,3247.87 h43.31
  text "TRB_GND" at 1580.74,3224.58 h25
  text "TC_8" at 1198.94,3207.85 h25
  text "-1V ALERT" at 11438.73,3180.18 h23.62
  text "3V3 MARS ALERT" at 11311.28,3097.94 h24
  text "ADM7170ACPZ / Short  = ON / Open   = OFF" at 6861.21,3072.22 h43.31
  text "TRB_GND / VIAS" at 2654.2,3061.41 h39.37
  text "8" at 3539.57,3048.97 h40
  text "4" at 3218.43,3033.79 h40
  text "6" at 3365.5,3033.8 h40
  text "7" at 3439.04,3034.12 h40
  text "1" at 3002.88,3033.46 h40
  text "3" at 3147.59,3033.12 h40
  text "5" at 3293.65,3033.13 h40
  text "2" at 3075.07,3032.45 h40
  text "0" at 2922.58,3029.42 h40
  text "TC_7" at 1198.94,3023.87 h25
  text "3V3 ALERT" at 11434.79,3017.29 h23.62
  text "TRB_GND" at 1580.74,2997.91 h25
  text "FE VIAS / {P,N}" at 2686.83,2976.96 h39.37
  text "MIC69502WR / Short  = ON / Open   = OFF" at 6861.21,2902.88 h43.31
  text "TC_6" at 1198.94,2828.82 h25
  text "I2C TEST POINTS" at 11711.62,2782.6 h39.37
  text "TC_5" at 1198.94,2629.79 h25
  text "TP45 - SDA / TP46 - SCL / TP47 - GND / TP48 - GND" at 11709.93,2621.47 h39.37
  text "DRS4 DVDD ALERT" at 7340.3,2615.22 h39.37
  text "TC_4" at 1198.94,2445.35 h25
  text "TC_3" at 1198.94,2277.28 h25
  text "DRS4 DVDD TEST POINTS" at 5345.2,2233.1 h39.37
  text "TC_2" at 1138.92,2135.5 h25
  text "TP12 - DRS4_DVDD_Texas_Instru. / TP14 - DRS4_DVDD_Linear_Tech. / TP16 - DRS4_DVDD_Microchip" at 5338.93,2081.59 h39.37
  text "TC_1" at 1142.32,1958.07 h25
  text "TC_0" at 1166.1,1691.54 h25
  text "TEST POINTS" at 11831.71,1657.95 h39.37
  text "1" at 11166.91,1593.94 h39.37
  text "2" at 11271.35,1593.94 h39.37
  text "3" at 11369.02,1593.94 h39.37
  text "TP90 - PB_3V3 / TP92 - PB_3V3_VSIO" at 11828.59,1546.41 h39.37
  text "TEST POINTS" at 9468.7,1511.98 h39.37
  text "POWER BOARD / I2C Galvanic Supply / 1-2: 3V3 VISO / 2-3: 3V3 External" at 11456.05,1467.85 h39.37
  text "1" at 10342.89,1425.92 h39.37
  text "2" at 10447.1,1425.92 h39.37
  text "3" at 10545,1425.92 h39.37
  text "TP89 - LT_3V3 / TP91 - LT_3V3_VSIO" at 9465.58,1400.44 h39.37
  text "LOCAL TRIGGER / I2C Galvanic Supply / 1-2: 3V3 VISO / 2-3: 3V3 External" at 9993.14,1317.97 h39.37
  text "IRQ" at 10416.57,1142.75 h39.37 r90
  text "SCL" at 10656.02,1135.14 h39.37 r90
  text "CLR" at 10501.07,1132.63 h39.37 r90
  text "SDA" at 10569.19,1129.97 h39.37 r90
  text "SCL" at 11435.41,1109.77 h39.37 r90
  text "SDA" at 11356.28,1104.6 h39.37 r90
  text "TCPB_GND" at 11090.44,1100 h39.37
  text "EXT 3V3" at 10732.06,1064.23 h39.37 r90
  text "EXT 3V3" at 11513.49,1038.86 h39.37 r90
  text "TLTB_GND" at 10253.37,1019.61 h39.37 r90
  text "TLTB_GND" at 10341.67,1019.61 h39.37 r90
Bottom Overlay:
  lines w10: 6373.86,7615.65 6814.92,7615.65 6814.92,7268.55 6375,7268.55 6375,7615.65 ; 6375.23,7559.93 6813.63,7559.93 ; 6614.56,7237.09 6614.56,7266.64 ; 6626.1,6263.52 7052.34,6263.52 ; 6837.86,6657.71 6905.93,6589.64 6905.93,6344.6 ; 7070.51,8271.58 7436.82,8271.58 ; 10198.15,5038.56 10198.15,5022.33 ; 10214.38,5022.33 10198.15,5022.33 ; 10223.92,5034.65 10210.46,5034.65 10198.15,5022.33 ; 6140,6658.22 7023.98,6658.22 7023.98,7234.05 6273.83,7234.05 6273.83,6998.08 6162.55,6998.08 6162.55,6903.55 6140,6881 6140,6758.57 6140,6658.22 ; 6624.73,5928.15 6624.73,6319.24 7054.8,6319.24 7054.8,5928.15 6624.73,5928.15 ; 7069.6,8003.16 7069.6,8327.3 7439.27,8327.3 7439.27,8003.16 7069.6,8003.16
  text "SD TEST RESISTORS" at 7433.09,8282.71 h39.37
  text "R382 - SD_CLK / R383 - SD_DAT0 / R384 - SD_DAT1 / R382 - SD_DAT2 / R386- SD_DAT3 / R387 - SD_CMD" at 7430.32,8029.42 h39.37
  text "SD LENGTH RESISTORS" at 6798.35,7574.3 h39.37
  text "Length matched /  / R158 - SD_CMD / R370 - SD_DAT0 / R373 - SD_DAT1 / R376 - SD_DAT2 / R379 - SD_DAT3" at 6796.11,7294.8 h39.37
  text "SD LENGTH RESISTORS" at 7044.86,6278.14 h39.37
  text "Additional Trace Length / (6\") /  / R173/R369 - SD_CMD / R371/R372 - SD_DAT0 / R374/R375 - SD_DAT1 / R377/R378 - SD_DAT2 / R380/R381 - SD_DAT3" at 7043.89,5958.77 h39.37
Top Solder:
  region: 4672.76,5538.98 4672.76,5565.41 4654.89,5565.41 4654.89,5538.98
  rectangle: 8966.18,7120.15 9091.42,7245.06
  region: 8391.92,8386.71 12294.93,8386.71 12295.02,5612.38 12250.66,5612.38 12250.65,8338.42 8391.92,8339.38
Bottom Solder:
  rectangle: 2469.05,4652.16 2597.99,4778.9
Mechanical 2:
  lines w0.5: 0.25,20.23 148.54,20.23 ; 0.25,62.34 148.54,62.34 ; 28.03,80.58 109.01,1.02 ; 69.57,41.5 76.03,41.5 81.49,52.01 ; 1.28,21.85 1.28,60.73 147.72,60.73 147.72,21.85 1.28,21.85
Outline:
  lines w4.72: 0,8210.24 12349.84,8210.24 ; 0.12,999.84 12349.96,999.84
  lines w5: 0,1000 0,8210.24 ; 12349.96,999.84 12349.96,8210.08

## Text inside footprints (layer, text, board x,y; h text height)
D5: Bottom Overlay "K" at 1742.27,3687.46 h11.81
D6: Bottom Overlay "K" at 5463.95,3239.55 h11.81
D7: Bottom Overlay "K" at 5490.37,2528.08 h20
D9: Bottom Overlay "K" at 3377.78,4425.36 h11.81
D10: Bottom Overlay "K" at 1364.4,4947.54 h20
D11: Bottom Overlay "K" at 4405.72,5651.69 h11.81
D12: Bottom Overlay "K" at 5147.61,5598.28 h11.81
D13: Bottom Overlay "K" at 4744.75,4916.38 h11.81
D14: Bottom Overlay "K" at 3780.19,6025.53 h11.81
D15: Bottom Overlay "K" at 5681.43,6303.25 h11.81
D16: Top Overlay "K" at 3072.51,7019.52 h11.81
D17: Top Overlay "K" at 11881.58,3129.9 h25
D18: Top Overlay "K" at 3074.31,6871.27 h11.81
D22: Top Overlay "K" at 4235.86,6314.52 h20
D23: Top Overlay "K" at 5251.77,5109.51 h11.81
D24: Top Overlay "K" at 1224.7,4140.81 h20
D25: Top Overlay "K" at 2808.17,4038.23 h20 r90
D26: Top Overlay "K" at 7460.17,2663.6 h20
D27: Top Overlay "K" at 869.24,5438.18 h20
D28: Top Overlay "K" at 1925.85,4551.93 h20
D29: Top Overlay "K" at 2239.77,4307.52 h20
D34: Top Overlay "K" at 8815.53,7733.89 h40
D35: Top Overlay "K" at 8815.53,7646.79 h40
D36: Top Overlay "K" at 11881.58,3051.05 h25
D37: Top Overlay "K" at 11881.58,3292.79 h25
D38: Top Overlay "K" at 11881.58,3211.96 h25
D39: Top Overlay "K" at 5532.15,6366.88 h30
D50: Top Overlay "K" at 1229.01,6895.63 h20 r90
D51: Top Overlay "K" at 1154.61,6895.63 h20 r90
D52: Top Overlay "K" at 1394.06,6895.63 h20 r90
D53: Top Overlay "K" at 1320.16,6895.63 h20 r90
D54: Top Overlay "K" at 1575.83,6895.63 h20 r90
D55: Top Overlay "K" at 1502.48,6895.63 h20 r90
D56: Top Overlay "K" at 1795.24,6895.63 h20 r90
D57: Top Overlay "K" at 1723.03,6895.63 h20 r90
D58: Top Overlay "K" at 1043.39,6895.63 h20 r90
D59: Top Overlay "K" at 965.25,6895.63 h20 r90
D60: Top Overlay "K" at 853.46,6895.63 h20 r90
D61: Top Overlay "K" at 779.7,6895.63 h20 r90
D62: Top Overlay "K" at 663.86,6895.63 h20 r90
D63: Top Overlay "K" at 592.55,6895.63 h20 r90
D64: Top Overlay "K" at 484.81,6895.63 h20 r90
D65: Top Overlay "K" at 404.91,6895.63 h20 r90
D66: Top Overlay "K" at 1980.24,6895.63 h20 r90
D67: Top Overlay "K" at 1908.54,6895.63 h20 r90
D68: Mechanical 13 "*" at 10191.57,5309.72 h50 r90; Bottom Overlay "K" at 10136.58,5345.33 h20 r90
D69: Mechanical 13 "*" at 10217.32,3864.25 h50 r90; Bottom Overlay "K" at 10162.32,3899.86 h20 r90
D70: Top Overlay "K" at 2707.36,6897.87 h20 r90
D71: Top Overlay "K" at 2632.61,6897.87 h20 r90
D72: Top Overlay "K" at 2420.45,7019.21 h20 r90
D73: Top Overlay "K" at 2491.47,7018.86 h20 r90
D74: Top Overlay "K" at 2288.35,7017.87 h20 r90
D75: Top Overlay "K" at 2209.78,7017.6 h20 r90
D79: Bottom Overlay "K" at 6119.03,6387.73 h11.81
D80: Mechanical 13 "*" at 10191.57,3083.03 h50 r90; Bottom Overlay "K" at 10136.58,3118.64 h20 r90
D81: Mechanical 13 "*" at 8335.24,4328.01 h50 r270; Bottom Overlay "K" at 8390.24,4292.4 h20 r270
D82: Mechanical 13 "*" at 10271,4368.38 h50 r270; Bottom Overlay "K" at 10240.41,4337.6 h20 r270
D83: Top Overlay "K" at 10836.54,7249.45 h40; Mechanical 13 "*" at 10881.32,7299.93 h50
D84: Top Overlay "K" at 10857.56,6479.14 h40; Mechanical 13 "*" at 10881.32,6396.34 h50
J7: Top Overlay "2" at 3342.01,7306.12 h23.62; Top Overlay "1" at 3342.01,6983.12 h23.62; Mechanical 13 "2" at 3342.01,7306.12 h50; Mechanical 13 "1" at 3342.01,6983.12 h50
OP1A: Mechanical 13 "*" at 1510.91,2038.03 h11.81 r180
OP1B: Mechanical 13 "*" at 2009.66,2038.03 h11.81 r180
OP1C: Mechanical 13 "*" at 2519.11,2038.03 h11.81 r180
OP1D: Mechanical 13 "*" at 3019.26,2038.03 h11.81 r180
OP1E: Mechanical 13 "*" at 3520.17,2038.03 h11.81 r180
OP1F: Mechanical 13 "*" at 4023.24,2038.03 h11.81 r180
OP1G: Mechanical 13 "*" at 4518.04,2038.03 h11.81 r180
OP1H: Mechanical 13 "*" at 5025.56,2038.03 h11.81 r180
OP2: Mechanical 13 "*" at 4235,3058.88 h11.81 r270
U10: Mechanical 13 "*" at 10525.03,4319.63 h11.81 r270
U40: Mechanical 13 "*" at 2623.72,4662.99 h11.81 r180
U44A: Mechanical 13 "*" at 1531.42,1730.33 h50 r270
U44B: Mechanical 13 "*" at 2030.12,1730.33 h50 r270
U44C: Mechanical 13 "*" at 2539.76,1730.33 h50 r270
U44D: Mechanical 13 "*" at 3039.72,1730.33 h50 r270
U44E: Mechanical 13 "*" at 3539.57,1730.33 h50 r270
U44F: Mechanical 13 "*" at 4043.28,1730.33 h50 r270
U44G: Mechanical 13 "*" at 4537.79,1730.33 h50 r270
U44H: Mechanical 13 "*" at 5045.32,1730.33 h50 r270
U45: Mechanical 13 "*" at 4541.93,3078.93 h50
U56: Mechanical 13 "*" at 1620.49,5916.4 h11.81 r270